# KiCad board INS-1 Matrix Display Motherboard.kicad_pcb (continued)
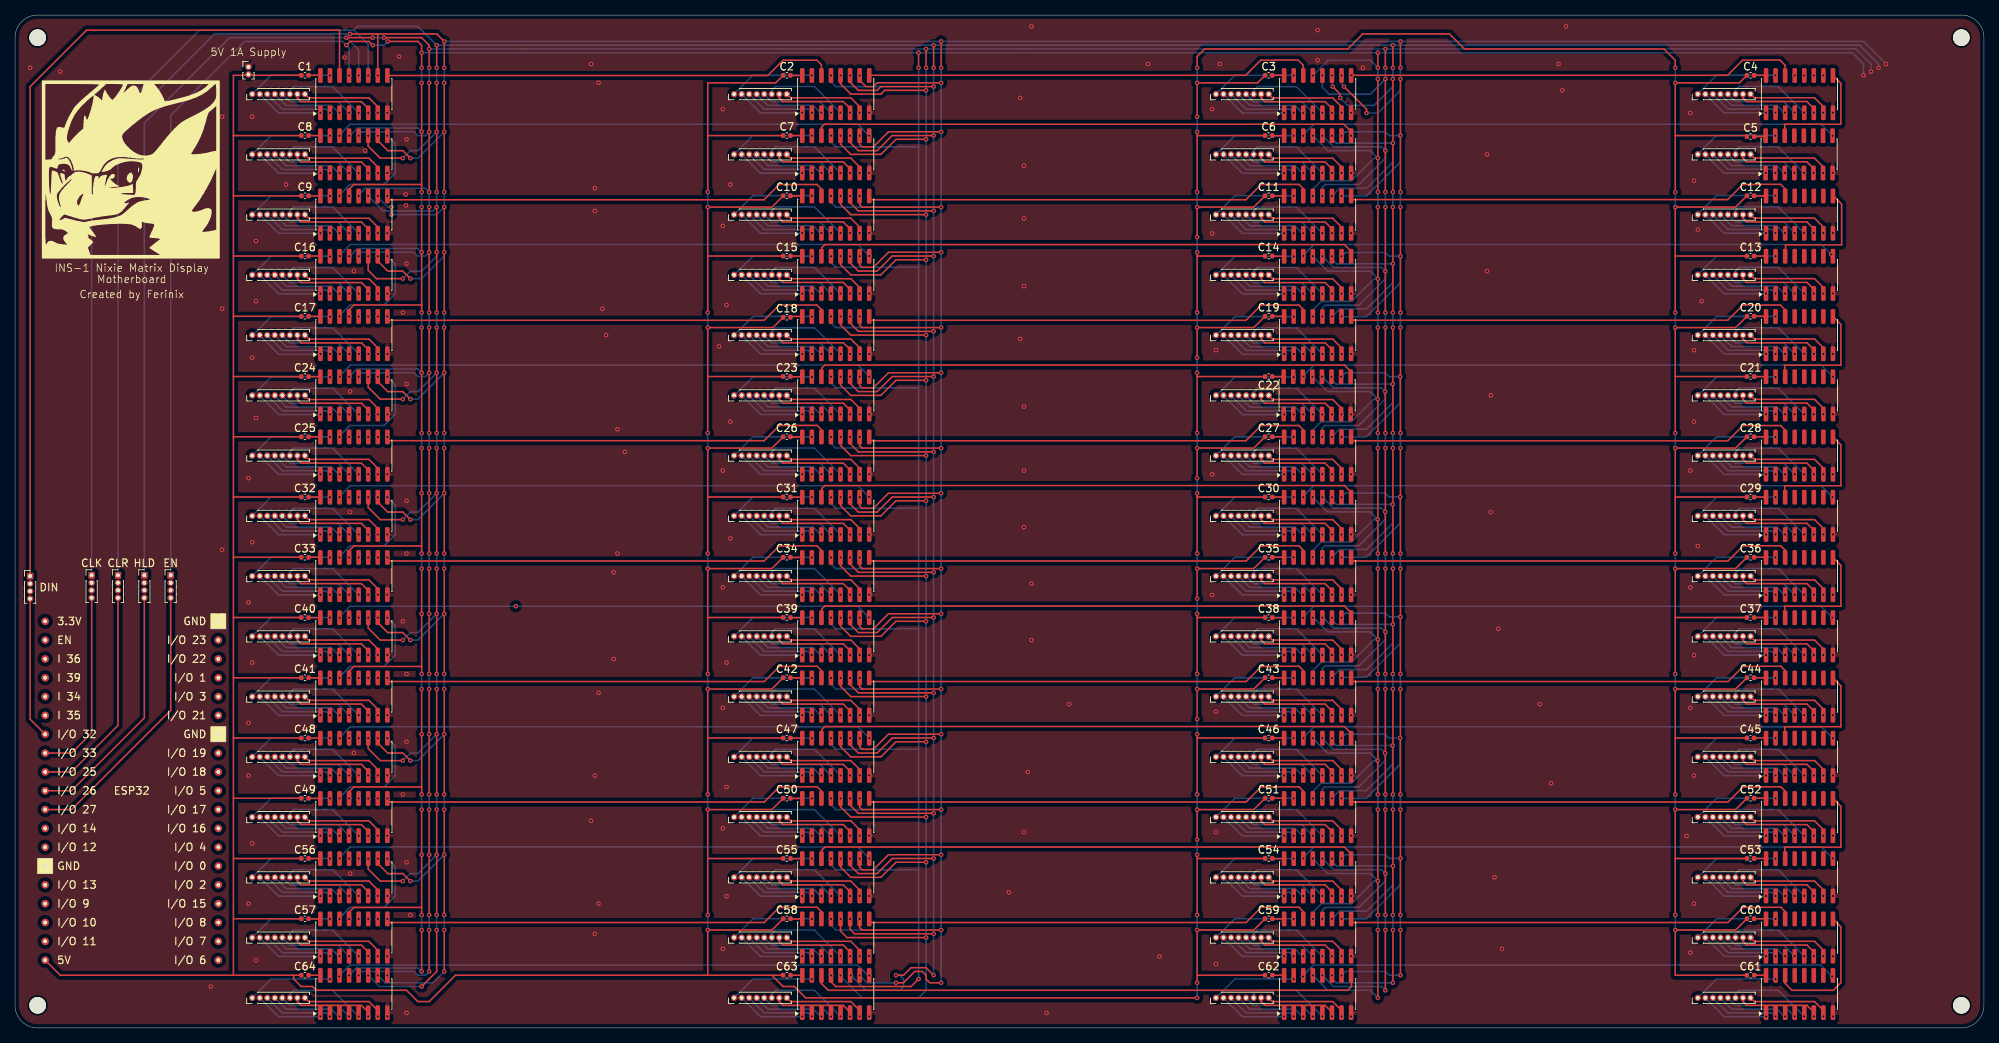
[diagram p0: board, top side]
## Routing (per net, layer and track width the routed paths; a pad name or vN(x,y) marks a point on that pad's centre or on a via; arc(x,y) is an arc through that point) (continued)
unconnected-(U45-QB-Pad1): length 9.1
  Bottom w0.2: 224.5,36 227,33.5 232.53,33.5 v1(232.56,33.53)
unconnected-(U45-QC-Pad2): length 9.4
  Bottom w0.2: 225.5,36 227.5,34 233.35,34 v1(233.82,33.53)
unconnected-(U45-QD-Pad3): length 9.6
  Bottom w0.2: 226.5,36 228,34.5 234,34.5 234.97,33.53 v1(235.09,33.53)
unconnected-(U45-QE-Pad4): length 9.9
  Bottom w0.2: v1(236.37,33.53) 234.89,35 228.5,35 227.5,36
unconnected-(U45-QF-Pad5): length 11.3
  Bottom w0.2: v1(237.63,33.53) 234.16,37 229,37 228.5,36.5 228.5,36
unconnected-(U45-QG-Pad6): length 11.1
  Top w0.2: 229.5,36 229.5,35.5 230,35 238,35 238.91,34.09 v1(238.91,33.53)
unconnected-(U45-QH-Pad7): length 11.2
  Top w0.2: v1(240.18,33.53) 240.18,34.33 239,35.5 231,35.5 230.5,36
unconnected-(U46-QA-Pad15): length 11.4
  Bottom w0.2: v1(169.82,38.47) 169.8,38.5 162,38.5 159.5,36
unconnected-(U46-QB-Pad1): length 9.1
  Bottom w0.2: v1(168.56,33.53) 168.53,33.5 163,33.5 160.5,36
unconnected-(U46-QC-Pad2): length 9.4
  Bottom w0.2: 161.5,36 163.5,34 169.35,34 v1(169.82,33.53)
unconnected-(U46-QD-Pad3): length 9.6
  Bottom w0.2: 162.5,36 164,34.5 170,34.5 170.97,33.53 v1(171.09,33.53)
unconnected-(U46-QE-Pad4): length 9.9
  Bottom w0.2: v1(172.37,33.53) 170.89,35 164.5,35 163.5,36
unconnected-(U46-QF-Pad5): length 11.3
  Bottom w0.2: v1(173.63,33.53) 170.16,37 165,37 164.5,36.5 164.5,36
unconnected-(U46-QG-Pad6): length 11.1
  Top w0.2: v1(174.91,33.53) 174.91,34.09 174,35 166,35 165.5,35.5 165.5,36
unconnected-(U46-QH-Pad7): length 11.2
  Top w0.2: 166.5,36 167,35.5 175,35.5 176.18,34.33 v1(176.18,33.53)
unconnected-(U47-QA-Pad15): length 11.4
  Bottom w0.2: 95.5,36 98,38.5 105.8,38.5 v1(105.83,38.47)
unconnected-(U47-QB-Pad1): length 9.1
  Bottom w0.2: v1(104.56,33.53) 104.53,33.5 99,33.5 96.5,36
unconnected-(U47-QC-Pad2): length 9.4
  Bottom w0.2: v1(105.83,33.53) 105.35,34 99.5,34 97.5,36
unconnected-(U47-QD-Pad3): length 9.6
  Bottom w0.2: 98.5,36 100,34.5 106,34.5 106.97,33.53 v1(107.09,33.53)
unconnected-(U47-QE-Pad4): length 9.9
  Bottom w0.2: 99.5,36 100.5,35 106.89,35 v1(108.36,33.53)
unconnected-(U47-QF-Pad5): length 11.3
  Bottom w0.2: 100.5,36 100.5,36.5 101,37 106.16,37 v1(109.64,33.53)
unconnected-(U47-QG-Pad6): length 11.1
  Top w0.2: 101.5,36 101.5,35.5 102,35 110,35 110.91,34.09 v1(110.91,33.53)
unconnected-(U47-QH-Pad7): length 11.2
  Top w0.2: v1(112.18,33.53) 112.18,34.33 111,35.5 103,35.5 102.5,36
unconnected-(U48-QA-Pad15): length 11.4
  Bottom w0.2: 31.5,36 34,38.5 41.8,38.5 v1(41.83,38.47)
unconnected-(U48-QB-Pad1): length 9.1
  Bottom w0.2: v1(40.55,33.53) 40.53,33.5 35,33.5 32.5,36
unconnected-(U48-QC-Pad2): length 9.4
  Bottom w0.2: 33.5,36 35.5,34 41.35,34 v1(41.83,33.53)
unconnected-(U48-QD-Pad3): length 9.6
  Bottom w0.2: 34.5,36 36,34.5 42,34.5 42.98,33.53 v1(43.09,33.53)
unconnected-(U48-QE-Pad4): length 9.9
  Bottom w0.2: 35.5,36 36.5,35 42.89,35 v1(44.37,33.53)
unconnected-(U48-QF-Pad5): length 11.3
  Bottom w0.2: 36.5,36 36.5,36.5 37,37 42.16,37 v1(45.63,33.53)
unconnected-(U48-QG-Pad6): length 11.1
  Top w0.2: v1(46.91,33.53) 46.91,34.09 46,35 38,35 37.5,35.5 37.5,36
unconnected-(U48-QH-Pad7): length 11.2
  Top w0.2: 38.5,36 39,35.5 47,35.5 48.17,34.33 v1(48.17,33.53)
unconnected-(U49-QA-Pad15): length 11.4
  Bottom w0.2: v1(41.83,30.47) 41.8,30.5 34,30.5 31.5,28
unconnected-(U49-QB-Pad1): length 9.1
  Bottom w0.2: 32.5,28 35,25.5 40.53,25.5 v1(40.55,25.53)
unconnected-(U49-QC-Pad2): length 9.4
  Bottom w0.2: 33.5,28 35.5,26 41.35,26 v1(41.83,25.53)
unconnected-(U49-QD-Pad3): length 9.6
  Bottom w0.2: 34.5,28 36,26.5 42,26.5 42.98,25.53 v1(43.09,25.53)
unconnected-(U49-QE-Pad4): length 9.9
  Bottom w0.2: v1(44.37,25.53) 42.89,27 36.5,27 35.5,28
unconnected-(U49-QF-Pad5): length 11.3
  Bottom w0.2: 36.5,28 36.5,28.5 37,29 42.16,29 v1(45.63,25.53)
unconnected-(U49-QG-Pad6): length 11.1
  Top w0.2: v1(46.91,25.53) 46.91,26.09 46,27 38,27 37.5,27.5 37.5,28
unconnected-(U49-QH-Pad7): length 11.2
  Top w0.2: v1(48.17,25.53) 48.17,26.32 47,27.5 39,27.5 38.5,28
unconnected-(U50-QA-Pad15): length 11.4
  Bottom w0.2: 95.5,28 98,30.5 105.8,30.5 v1(105.83,30.47)
unconnected-(U50-QB-Pad1): length 9.1
  Bottom w0.2: 96.5,28 99,25.5 104.53,25.5 v1(104.56,25.53)
unconnected-(U50-QC-Pad2): length 9.4
  Bottom w0.2: 97.5,28 99.5,26 105.35,26 v1(105.83,25.53)
unconnected-(U50-QD-Pad3): length 9.6
  Bottom w0.2: v1(107.09,25.53) 106.97,25.53 106,26.5 100,26.5 98.5,28
unconnected-(U50-QE-Pad4): length 9.9
  Bottom w0.2: 99.5,28 100.5,27 106.89,27 v1(108.36,25.53)
unconnected-(U50-QF-Pad5): length 11.3
  Bottom w0.2: 100.5,28 100.5,28.5 101,29 106.16,29 v1(109.64,25.53)
unconnected-(U50-QG-Pad6): length 11.1
  Top w0.2: v1(110.91,25.53) 110.91,26.09 110,27 102,27 101.5,27.5 101.5,28
unconnected-(U50-QH-Pad7): length 11.2
  Top w0.2: 102.5,28 103,27.5 111,27.5 112.18,26.32 v1(112.18,25.53)
unconnected-(U51-QA-Pad15): length 11.4
  Bottom w0.2: v1(169.82,30.47) 169.8,30.5 162,30.5 159.5,28
unconnected-(U51-QB-Pad1): length 9.1
  Bottom w0.2: 160.5,28 163,25.5 168.53,25.5 v1(168.56,25.53)
unconnected-(U51-QC-Pad2): length 9.4
  Bottom w0.2: v1(169.82,25.53) 169.35,26 163.5,26 161.5,28
unconnected-(U51-QD-Pad3): length 9.6
  Bottom w0.2: v1(171.09,25.53) 170.97,25.53 170,26.5 164,26.5 162.5,28
unconnected-(U51-QE-Pad4): length 9.9
  Bottom w0.2: v1(172.37,25.53) 170.89,27 164.5,27 163.5,28
unconnected-(U51-QF-Pad5): length 11.3
  Bottom w0.2: 164.5,28 164.5,28.5 165,29 170.16,29 v1(173.63,25.53)
unconnected-(U51-QG-Pad6): length 11.1
  Top w0.2: 165.5,28 165.5,27.5 166,27 174,27 174.91,26.09 v1(174.91,25.53)
unconnected-(U51-QH-Pad7): length 11.2
  Top w0.2: 166.5,28 167,27.5 175,27.5 176.18,26.32 v1(176.18,25.53)
unconnected-(U52-QA-Pad15): length 11.4
  Bottom w0.2: 223.5,28 226,30.5 233.8,30.5 v1(233.82,30.47)
unconnected-(U52-QB-Pad1): length 9.1
  Bottom w0.2: v1(232.56,25.53) 232.53,25.5 227,25.5 224.5,28
unconnected-(U52-QC-Pad2): length 9.4
  Bottom w0.2: 225.5,28 227.5,26 233.35,26 v1(233.82,25.53)
unconnected-(U52-QD-Pad3): length 9.6
  Bottom w0.2: v1(235.09,25.53) 234.97,25.53 234,26.5 228,26.5 226.5,28
unconnected-(U52-QE-Pad4): length 9.9
  Bottom w0.2: v1(236.37,25.53) 234.89,27 228.5,27 227.5,28
unconnected-(U52-QF-Pad5): length 11.3
  Bottom w0.2: v1(237.63,25.53) 234.16,29 229,29 228.5,28.5 228.5,28
unconnected-(U52-QG-Pad6): length 11.1
  Top w0.2: 229.5,28 229.5,27.5 230,27 238,27 238.91,26.09 v1(238.91,25.53)
unconnected-(U52-QH-Pad7): length 11.2
  Top w0.2: v1(240.18,25.53) 240.18,26.32 239,27.5 231,27.5 230.5,28
unconnected-(U53-QA-Pad15): length 11.4
  Bottom w0.2: 223.5,20 226,22.5 233.8,22.5 v1(233.82,22.47)
unconnected-(U53-QB-Pad1): length 9.1
  Bottom w0.2: 224.5,20 227,17.5 232.53,17.5 v1(232.56,17.53)
unconnected-(U53-QC-Pad2): length 9.4
  Bottom w0.2: 225.5,20 227.5,18 233.35,18 v1(233.82,17.53)
unconnected-(U53-QD-Pad3): length 9.6
  Bottom w0.2: v1(235.09,17.53) 234.97,17.53 234,18.5 228,18.5 226.5,20
unconnected-(U53-QE-Pad4): length 9.9
  Bottom w0.2: 227.5,20 228.5,19 234.89,19 v1(236.37,17.53)
unconnected-(U53-QF-Pad5): length 11.3
  Bottom w0.2: 228.5,20 228.5,20.5 229,21 234.16,21 v1(237.63,17.53)
unconnected-(U53-QG-Pad6): length 11.1
  Top w0.2: v1(238.91,17.53) 238.91,18.09 238,19 230,19 229.5,19.5 229.5,20
unconnected-(U53-QH-Pad7): length 11.2
  Top w0.2: 230.5,20 231,19.5 239,19.5 240.18,18.32 v1(240.18,17.53)
unconnected-(U54-QA-Pad15): length 11.4
  Bottom w0.2: v1(169.82,22.47) 169.8,22.5 162,22.5 159.5,20
unconnected-(U54-QB-Pad1): length 9.1
  Bottom w0.2: 160.5,20 163,17.5 168.53,17.5 v1(168.56,17.53)
unconnected-(U54-QC-Pad2): length 9.4
  Bottom w0.2: v1(169.82,17.53) 169.35,18 163.5,18 161.5,20
unconnected-(U54-QD-Pad3): length 9.6
  Bottom w0.2: 162.5,20 164,18.5 170,18.5 170.97,17.53 v1(171.09,17.53)
unconnected-(U54-QE-Pad4): length 9.9
  Bottom w0.2: v1(172.37,17.53) 170.89,19 164.5,19 163.5,20
unconnected-(U54-QF-Pad5): length 11.3
  Bottom w0.2: 164.5,20 164.5,20.5 165,21 170.16,21 v1(173.63,17.53)
unconnected-(U54-QG-Pad6): length 11.1
  Top w0.2: v1(174.91,17.53) 174.91,18.09 174,19 166,19 165.5,19.5 165.5,20
unconnected-(U54-QH-Pad7): length 11.2
  Top w0.2: v1(176.18,17.53) 176.18,18.32 175,19.5 167,19.5 166.5,20
unconnected-(U55-QA-Pad15): length 11.4
  Bottom w0.2: 95.5,20 98,22.5 105.8,22.5 v1(105.83,22.47)
unconnected-(U55-QB-Pad1): length 9.1
  Bottom w0.2: v1(104.56,17.53) 104.53,17.5 99,17.5 96.5,20
unconnected-(U55-QC-Pad2): length 9.4
  Bottom w0.2: v1(105.83,17.53) 105.35,18 99.5,18 97.5,20
unconnected-(U55-QD-Pad3): length 9.6
  Bottom w0.2: v1(107.09,17.53) 106.97,17.53 106,18.5 100,18.5 98.5,20
unconnected-(U55-QE-Pad4): length 9.9
  Bottom w0.2: v1(108.36,17.53) 106.89,19 100.5,19 99.5,20
unconnected-(U55-QF-Pad5): length 11.3
  Bottom w0.2: 100.5,20 100.5,20.5 101,21 106.16,21 v1(109.64,17.53)
unconnected-(U55-QG-Pad6): length 11.1
  Top w0.2: v1(110.91,17.53) 110.91,18.09 110,19 102,19 101.5,19.5 101.5,20
unconnected-(U55-QH-Pad7): length 11.2
  Top w0.2: v1(112.18,17.53) 112.18,18.32 111,19.5 103,19.5 102.5,20
unconnected-(U56-QA-Pad15): length 11.4
  Bottom w0.2: v1(41.83,22.47) 41.8,22.5 34,22.5 31.5,20
unconnected-(U56-QB-Pad1): length 9.1
  Bottom w0.2: 32.5,20 35,17.5 40.53,17.5 v1(40.55,17.53)
unconnected-(U56-QC-Pad2): length 9.4
  Bottom w0.2: 33.5,20 35.5,18 41.35,18 v1(41.83,17.53)
unconnected-(U56-QD-Pad3): length 9.6
  Bottom w0.2: v1(43.09,17.53) 42.98,17.53 42,18.5 36,18.5 34.5,20
unconnected-(U56-QE-Pad4): length 9.9
  Bottom w0.2: 35.5,20 36.5,19 42.89,19 v1(44.37,17.53)
unconnected-(U56-QF-Pad5): length 11.3
  Bottom w0.2: v1(45.63,17.53) 42.16,21 37,21 36.5,20.5 36.5,20
unconnected-(U56-QG-Pad6): length 11.1
  Top w0.2: v1(46.91,17.53) 46.91,18.09 46,19 38,19 37.5,19.5 37.5,20
unconnected-(U56-QH-Pad7): length 11.2
  Top w0.2: v1(48.17,17.53) 48.17,18.32 47,19.5 39,19.5 38.5,20
unconnected-(U57-QA-Pad15): length 11.4
  Bottom w0.2: v1(41.83,14.47) 41.8,14.5 34,14.5 31.5,12
unconnected-(U57-QB-Pad1): length 9.1
  Bottom w0.2: v1(40.55,9.53) 40.53,9.5 35,9.5 32.5,12
unconnected-(U57-QC-Pad2): length 9.4
  Bottom w0.2: 33.5,12 35.5,10 41.35,10 v1(41.83,9.53)
unconnected-(U57-QD-Pad3): length 9.6
  Bottom w0.2: v1(43.09,9.53) 42.98,9.53 42,10.5 36,10.5 34.5,12
unconnected-(U57-QE-Pad4): length 9.9
  Bottom w0.2: v1(44.37,9.53) 42.89,11 36.5,11 35.5,12
unconnected-(U57-QF-Pad5): length 11.3
  Bottom w0.2: 36.5,12 36.5,12.5 37,13 42.16,13 v1(45.63,9.53)
unconnected-(U57-QG-Pad6): length 11.1
  Top w0.2: v1(46.91,9.53) 46.91,10.09 46,11 38,11 37.5,11.5 37.5,12
unconnected-(U57-QH-Pad7): length 11.2
  Top w0.2: 38.5,12 39,11.5 47,11.5 48.17,10.32 v1(48.17,9.53)
unconnected-(U58-GND-Pad8):
  vias: v1(113.44,9.53)
unconnected-(U58-QA-Pad15): length 11.4
  Bottom w0.2: v1(105.83,14.47) 105.8,14.5 98,14.5 95.5,12
unconnected-(U58-QB-Pad1): length 9.1
  Bottom w0.2: 96.5,12 99,9.5 104.53,9.5 v1(104.56,9.53)
unconnected-(U58-QC-Pad2): length 9.4
  Bottom w0.2: v1(105.83,9.53) 105.35,10 99.5,10 97.5,12
unconnected-(U58-QD-Pad3): length 9.6
  Bottom w0.2: 98.5,12 100,10.5 106,10.5 106.97,9.53 v1(107.09,9.53)
unconnected-(U58-QE-Pad4): length 9.9
  Bottom w0.2: 99.5,12 100.5,11 106.89,11 v1(108.36,9.53)
unconnected-(U58-QF-Pad5): length 11.3
  Bottom w0.2: v1(109.64,9.53) 106.16,13 101,13 100.5,12.5 100.5,12
unconnected-(U58-QG-Pad6): length 11.1
  Top w0.2: 101.5,12 101.5,11.5 102,11 110,11 110.91,10.09 v1(110.91,9.53)
unconnected-(U58-QH-Pad7): length 11.2
  Top w0.2: v1(112.18,9.53) 112.18,10.32 111,11.5 103,11.5 102.5,12
unconnected-(U59-QA-Pad15): length 11.4
  Bottom w0.2: v1(169.82,14.47) 169.8,14.5 162,14.5 159.5,12
unconnected-(U59-QB-Pad1): length 9.1
  Bottom w0.2: v1(168.56,9.53) 168.53,9.5 163,9.5 160.5,12
unconnected-(U59-QC-Pad2): length 9.4
  Bottom w0.2: 161.5,12 163.5,10 169.35,10 v1(169.82,9.53)
unconnected-(U59-QD-Pad3): length 9.6
  Bottom w0.2: v1(171.09,9.53) 170.97,9.53 170,10.5 164,10.5 162.5,12
unconnected-(U59-QE-Pad4): length 9.9
  Bottom w0.2: 163.5,12 164.5,11 170.89,11 v1(172.37,9.53)
unconnected-(U59-QF-Pad5): length 11.3
  Bottom w0.2: 164.5,12 164.5,12.5 165,13 170.16,13 v1(173.63,9.53)
unconnected-(U59-QG-Pad6): length 11.1
  Top w0.2: 165.5,12 165.5,11.5 166,11 174,11 174.91,10.09 v1(174.91,9.53)
unconnected-(U59-QH-Pad7): length 11.2
  Top w0.2: 166.5,12 167,11.5 175,11.5 176.18,10.32 v1(176.18,9.53)
unconnected-(U60-QA-Pad15): length 11.4
  Bottom w0.2: 223.5,12 226,14.5 233.8,14.5 v1(233.82,14.47)
unconnected-(U60-QB-Pad1): length 9.1
  Bottom w0.2: 224.5,12 227,9.5 232.53,9.5 v1(232.56,9.53)
unconnected-(U60-QC-Pad2): length 9.4
  Bottom w0.2: v1(233.82,9.53) 233.35,10 227.5,10 225.5,12
unconnected-(U60-QD-Pad3): length 9.6
  Bottom w0.2: 226.5,12 228,10.5 234,10.5 234.97,9.53 v1(235.09,9.53)
unconnected-(U60-QE-Pad4): length 9.9
  Bottom w0.2: v1(236.37,9.53) 234.89,11 228.5,11 227.5,12
unconnected-(U60-QF-Pad5): length 11.3
  Bottom w0.2: v1(237.63,9.53) 234.16,13 229,13 228.5,12.5 228.5,12
unconnected-(U60-QG-Pad6): length 11.1
  Top w0.2: 229.5,12 229.5,11.5 230,11 238,11 238.91,10.09 v1(238.91,9.53)
unconnected-(U60-QH-Pad7): length 11.2
  Top w0.2: 230.5,12 231,11.5 239,11.5 240.18,10.32 v1(240.18,9.53)
unconnected-(U61-QA-Pad15): length 11.4
  Bottom w0.2: 223.5,4 226,6.5 233.8,6.5 v1(233.82,6.47)
unconnected-(U61-QH-Pad7): length 11.2
  Top w0.2: 230.5,4 231,3.5 239,3.5 240.18,2.32 v1(240.18,1.53)
unconnected-(U62-QA-Pad15): length 11.4
  Bottom w0.2: 159.5,4 162,6.5 169.8,6.5 v1(169.82,6.47)
unconnected-(U62-QH-Pad7): length 11.2
  Top w0.2: 166.5,4 167,3.5 175,3.5 176.18,2.32 v1(176.18,1.53)
unconnected-(U63-QA-Pad15): length 11.4
  Bottom w0.2: 95.5,4 98,6.5 105.8,6.5 v1(105.83,6.47)
unconnected-(U63-QB-Pad1): length 9.1
  Bottom w0.2: v1(104.56,1.53) 104.53,1.5 99,1.5 96.5,4
unconnected-(U63-QC-Pad2): length 9.4
  Bottom w0.2: v1(105.83,1.53) 105.35,2 99.5,2 97.5,4
unconnected-(U63-QD-Pad3): length 9.6
  Bottom w0.2: v1(107.09,1.53) 106.97,1.53 106,2.5 100,2.5 98.5,4
unconnected-(U63-QE-Pad4): length 9.9
  Bottom w0.2: v1(108.36,1.53) 106.89,3 100.5,3 99.5,4
unconnected-(U63-QF-Pad5): length 11.3
  Bottom w0.2: 100.5,4 100.5,4.5 101,5 106.16,5 v1(109.64,1.53)
unconnected-(U63-QG-Pad6): length 11.1
  Top w0.2: 101.5,4 101.5,3.5 102,3 110,3 110.91,2.09 v1(110.91,1.53)
unconnected-(U63-QH-Pad7): length 11.2
  Top w0.2: v1(112.18,1.53) 112.18,2.32 111,3.5 103,3.5 102.5,4
unconnected-(U64-QA-Pad15): length 11.4
  Bottom w0.2: v1(41.83,6.47) 41.8,6.5 34,6.5 31.5,4
unconnected-(U64-QH'-Pad9):
  vias: v1(49.44,6.97)
unconnected-(U64-QH-Pad7): length 11.2
  Top w0.2: v1(48.17,1.53) 48.17,2.32 47,3.5 39,3.5 38.5,4

## Copper pours and planes (outline as drawn; the poured copper is in the pictures)
GND on Top: 0,134.5 0,0 261.5,0 261.5,134.5
GND on Bottom: 0,134.5 261.5,134.5 261.5,0 0,0

## Text on the board
F.Silkscreen: INS-1 Nixie Matrix Display | Motherboard | Created by Ferinix | 5V 1A Supply
